# Altium PCB PCB_接线端子版本.PcbDoc
Units mm, origin at the board's own origin, x right, y up, seen from the top; angles counter-clockwise.
Board outline 25 x 30 mm, 2 copper layers (Top Layer, Bottom Layer); 34 components, 17 nets, 99 pads, 55 vias.
Unrouted connection lines stored in the file: 15.
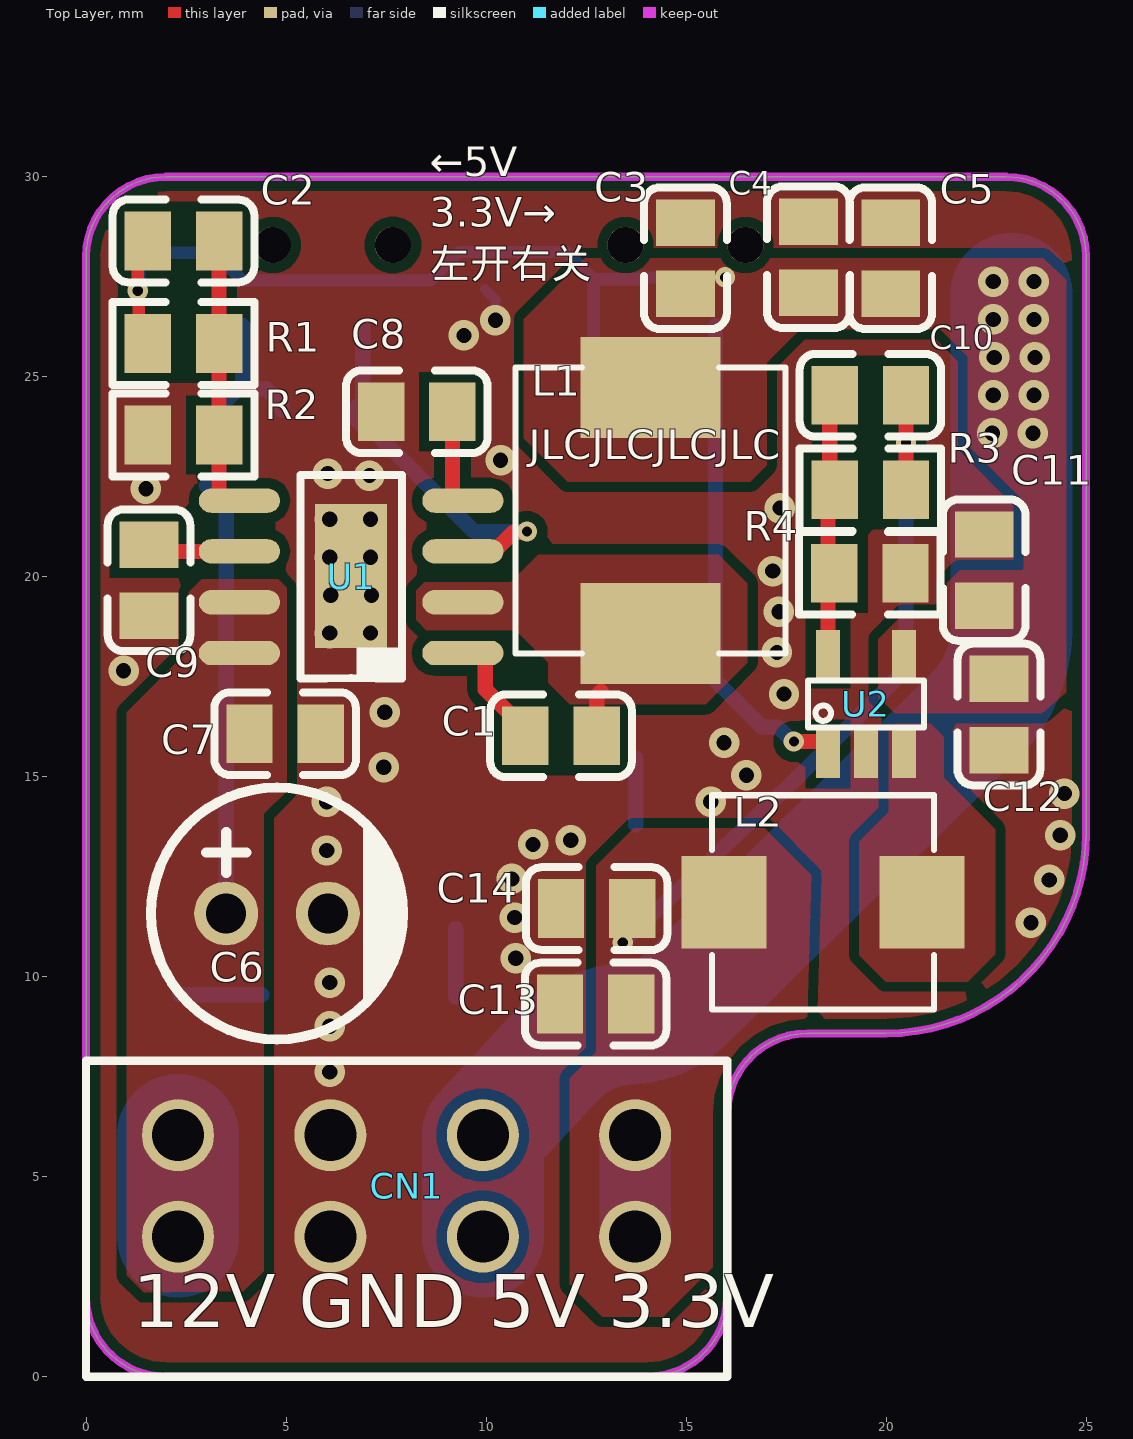
[diagram p0: Top Layer view]
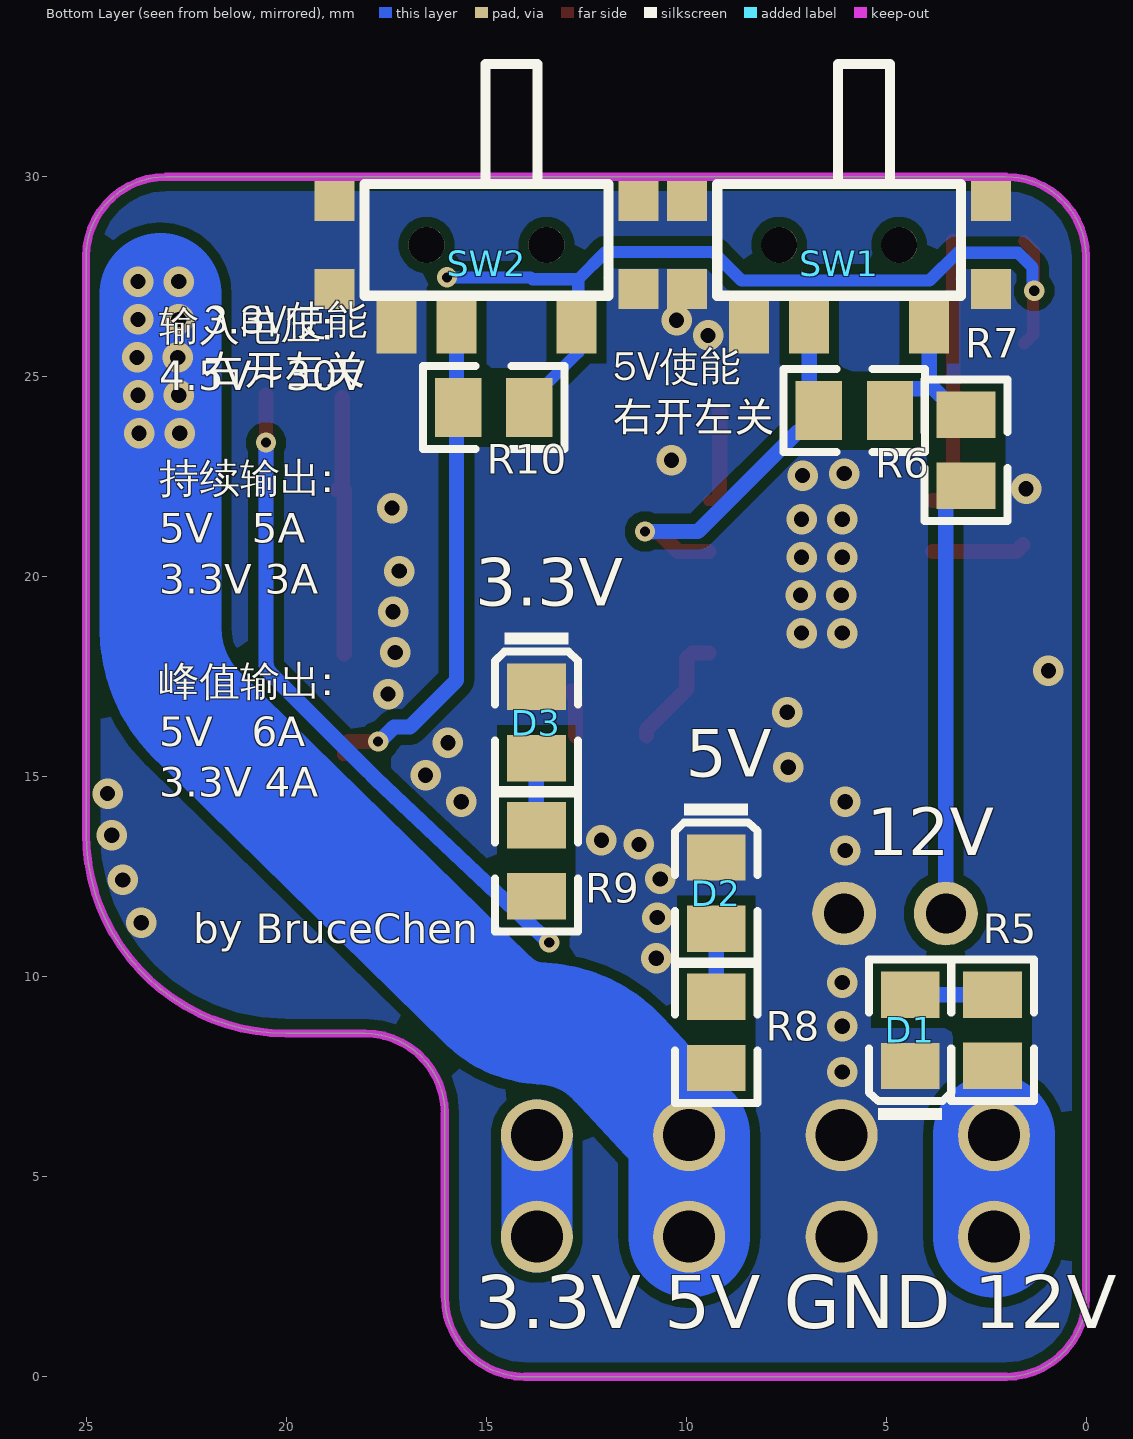
[diagram p1: Bottom Layer view, seen from below]
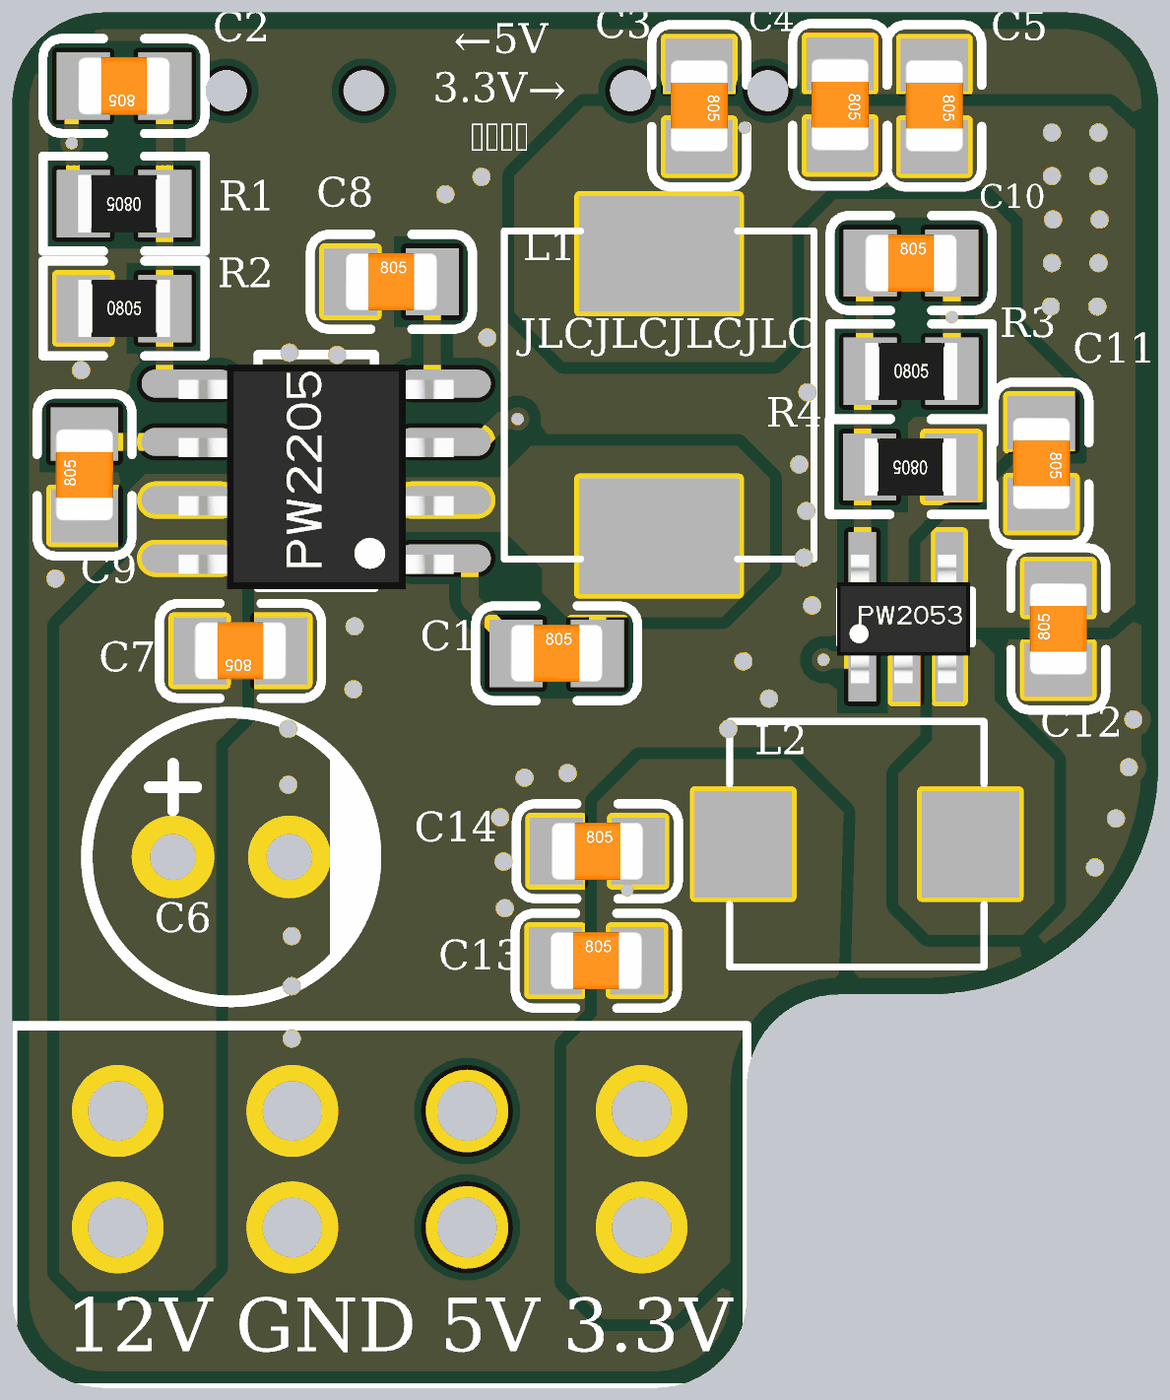
[diagram p2: 3D render of the assembled board from above, using the file's embedded part models]
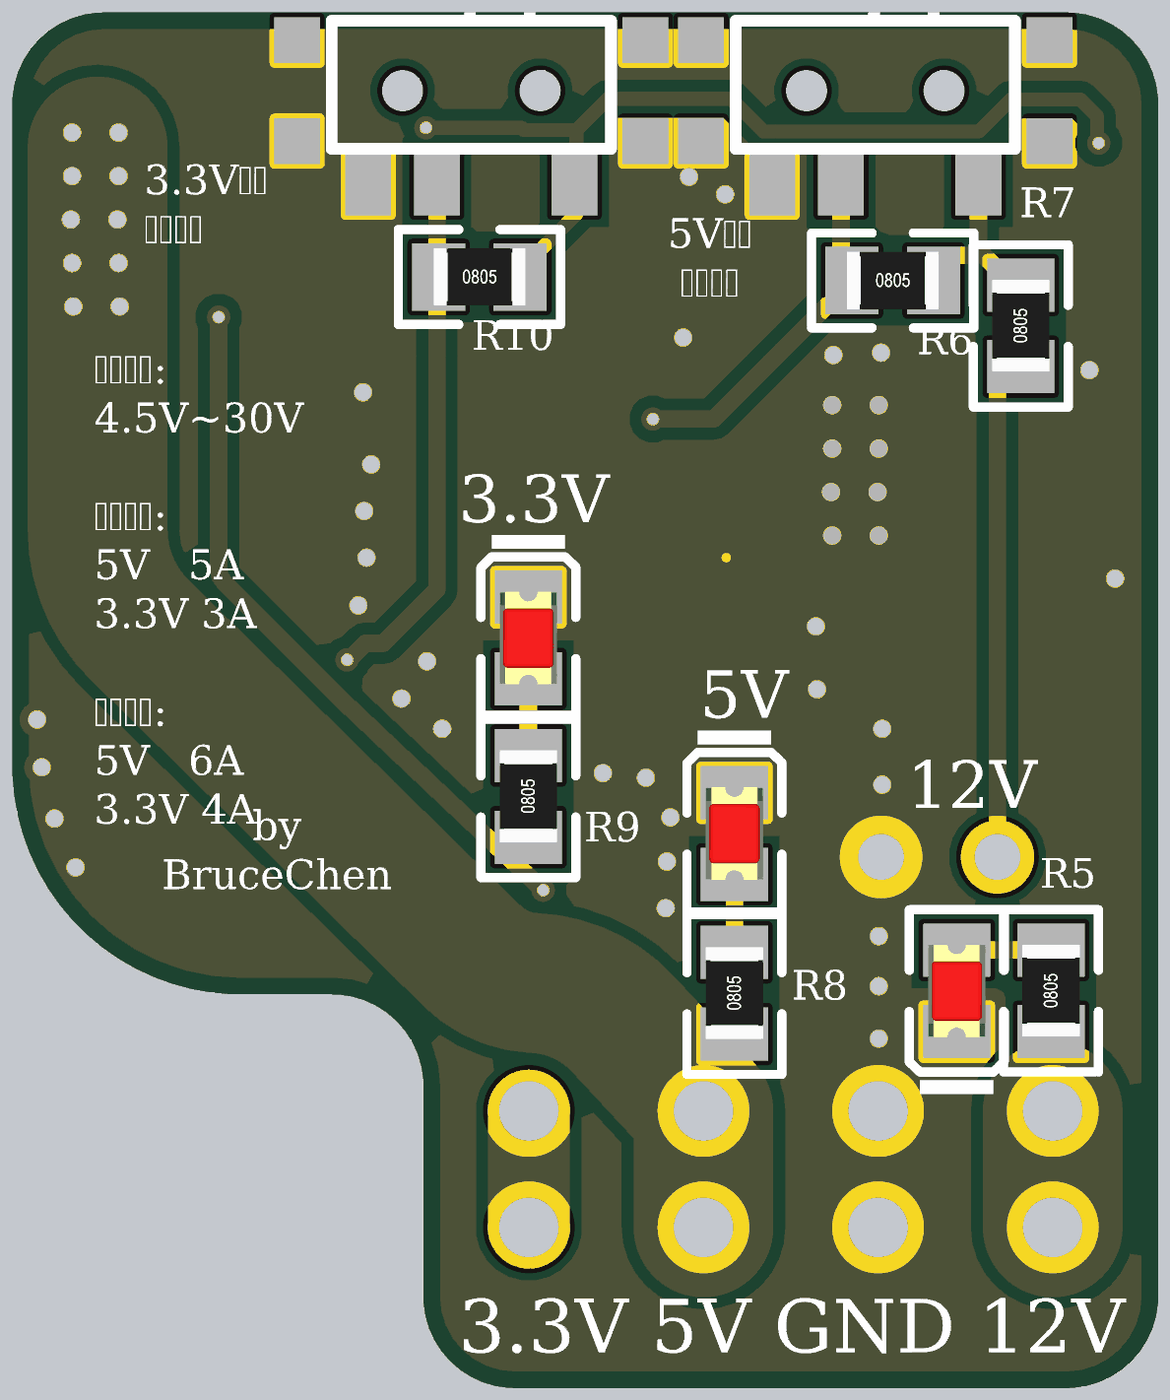
[diagram p3: 3D render of the assembled board from below, using the file's embedded part models]

## Layer stack, top to bottom
Top Solder: solder mask 0.0102, Solder Resist, Dk 3.5
Top Layer: signal copper 0.0356
Dielectric 1: dielectric 0.32, FR-4, Dk 4.8
Bottom Layer: signal copper 0.0356
Bottom Solder: solder mask 0.0102, Solder Resist, Dk 3.5

## Board outline
0,2 ccw(c2,2) 2,0 14.03,0 ccw(c14.03,2) 16.03,2 16.03,6.586 cw(c18.03,6.586) 18.03,8.586 20,8.586 ccw(c20,13.586) 25,13.586 25,28 ccw(c23,28) 23,30 2,30 ccw(c2,28) 0,28

## Design rules (kind name [scope] priority, off if disabled: settings)
Clearance [All] p1: gap=0.254 ignorepadtopadclearanceinfootprint=FALSE except(0: Arc-Hole Track-Hole SMDPad-Hole THPad-Hole Via-Hole Fill-Hole Poly-Hole Region-Hole Text-Hole)
HoleSize [All] p1: absolutevalues=TRUE maxlimit=2539.975 minlimit=0.254 maxpercent=80.000 minpercent=20.000
PlaneConnect [All] p1: planeconnectstyle=Direct reliefexpansion=0.508 reliefentries=4 reliefconductorwidth=0.254 reliefairgap=0.254
PolygonConnect [All] p1: connectstyle=Direct reliefconductorwidth=0.254 reliefentries=4 polygonreliefangle="90 Angle" airgapwidth=0.254
RoutingVias [All] p1: holewidth=0.711 width=1.27 viastyle="Through Hole" minholewidth=0.254 minwidth=0.381 maxholewidth=2539.975 maxwidth=2539.975
SolderMaskExpansion [All] p1: expansion=0.102 istentingtop=FALSE
Width [All] p1: maxlimit=2539.975 minlimit=0.152 preferedwidth=0.254
28 further rules are at their usual default settings.

## Components (designator, comment, footprint, x,y, rotation, side; value= is the part's Value field where it differs from the comment)
C1 "100nF 16V" 0805_C 11.876,16.024 r0 top
C2 "68pF 16V" 0805_C 2.436,28.397 r180 top
C3 "22uF 50V" 0805_C 14.986,27.964 r270 top
C4 "22uF 50V" 0805_C 18.059,27.99 r270 top
C5 "100nF 5% 16V" 0805_C 20.117,27.964 r270 top
C6 "100uF" "电容 6.3*8" 4.775,11.582 r0 top
C7 "1uF 50V" 0805_C 4.978,16.078 r180 top
C8 "10nF 16V" 0805_C 8.269,24.127 r0 top
C9 "1uF 16V" 0805_C 1.575,19.913 r90 top
C10 "22pF 10V" 0805_C 19.609,24.536 r0 top
C11 "22uF 10V" 0805_C 22.454,20.167 r270 top
C12 "0.1uF 10V" 0805_C 22.823,16.557 r90 top
C13 "22uF 10V" 0805_C 12.739,9.319 r0 top
C14 "22uF 10V" 0805_C 12.765,11.706 r0 top
CN1 "插拔式接线端子" 插拔式接线端子-弯插 0,7.902 r0 top
D1 "红灯 0805" 0805_LED_S1 4.394,8.66 r90 bottom
D2 "红灯 0805" 0805_LED_S1 9.246,12.091 r270 bottom
D3 "红灯 0805" 0805_LED_S1 13.741,16.357 r270 bottom
L1 "6.8uH" "电感 0650" 14.111,21.658 r270 top
L2 "6.8uH" "电感 0520" 18.426,11.862 r0 top
R1 "110KΩ ±1%" 0805_R 2.437,25.832 r180 top
R2 "15KΩ ±1%" 0805_R 2.437,23.546 r0 top
R3 "45KΩ 1%" 0805_R 19.61,22.174 r0 top
R4 "10KΩ 1%" 0805_R 19.596,20.088 r180 top
R5 "20KΩ" 0805_R 2.337,8.661 r90 bottom
R6 "0Ω" 0805_R 5.791,24.155 r180 bottom
R7 "100KΩ" 0805_R 2.997,23.165 r90 bottom
R8 "10KΩ" 0805_R 9.246,8.61 r90 bottom
R9 "10KΩ" 0805_R 13.741,12.902 r90 bottom
R10 "0Ω" 0805_R 14.809,24.232 r180 bottom
SW1 "SK-3296S-01-L1" 拨动开关(侧) 6.171,27.837 r0 bottom
SW2 "SK-3296S-01-L1" 拨动开关(侧) 14.986,27.837 r0 bottom
U1 "PW2205" "PW2205 - SOP8" 9.551,17.968 r180 top
U2 "PW2053" "PW2053 - SOT23-6" 18.557,15.576 r90 top

## Footprints (in the part's own frame and the unit in brackets; to place one, negate y for a bottom-side part, rotate by r counter-clockwise, add the part's x,y. Pads: shape width x height; smd on the part's side, far side on the other; paste and mask are expansions set on the pad)
0805_C [mm]
  rect 1.16x1.47 smd: 1(-0.89,0) 2(0.89,0)
  silkscreen extent -1.77,-1.04 1.77,1.04, body extent -1,-0.62 1,0.63, height 0.77
0805_LED_S1 [mm]
  rect 1.16x1.47 smd: A(0.89,0) K(-0.89,0)
  silkscreen extent -2.25,-1.04 1.77,1.03, body extent -1.01,-0.63 1.01,0.62, height 1.1
0805_R [mm]
  rect 1.16x1.47 smd: 1(-0.89,0) 2(0.89,0)
  silkscreen extent -1.77,-1.04 1.77,1.03, body extent -1,-0.62 1,0.63, height 0.49
"PW2053 - SOT23-6" [mm]
  rect 1.2x0.6 smd: CE(-0.005,0.01) FB(2.495,0.01) GND(-0.005,-0.94) LX(-0.005,-1.89) VIN(2.495,-1.89)
  silkscreen extent 0.65,-2.39 1.83,0.51, body extent -0.2,-2.34 2.6,0.56, height 1.47
"PW2205 - SOP8" [mil]
  round 0 all layers, no hole: $$$1(5.02,-5.59)
  oval 80x24 smd: BS(5,-5) EN(5,-105) FB(225,-155) SS(5,-155) SVIN(225,-55) SW(5,-55) VCC(225,-105) VIN(225,-5)
  rect 70.87x141.73 smd: GND(115.02,-80.59)
  silkscreen extent 65,-180 165,20, body extent -3,-171 233,21, height 70
拨动开关(侧) [mm]
  rect 1x1 smd: 0(-3.8,-1.559) 0(-3.8,0.641) 0(3.8,-1.559) 0(3.8,0.641)
  rect 1x1.4 smd: 1(-2.25,1.559) 2(0.75,1.559) 3(2.25,1.559)
  round 0.9 hole 0.9 unplated: ""(-1.5,-0.459) ""(1.5,-0.459)
  silkscreen extent -3.05,-4.98 3.05,0.81
插拔式接线端子-弯插 [mm]
  round 1.8 hole 1.3: 1(13.73,-4.4) 1(13.73,-1.86) 2(9.92,-4.4) 2(9.92,-1.86) 3(6.11,-4.4) 3(6.11,-1.86) 4(2.3,-4.4) 4(2.3,-1.86)
  silkscreen extent 0,-7.9 16.03,0
"电容 6.3*8" [mm]
  round 1.6 hole 1: 1(-1.27,0) 2(1.27,0)
  silkscreen extent -3.15,-3.15 3.17,3.15
"电感 0520" [mm]
  rect 2.124x2.32 smd: 1(2.478,0) 2(-2.478,0)
  silkscreen extent -2.78,-2.68 2.78,2.68
"电感 0650" [mm]
  rect 2.524x3.5 smd: 1(3.078,0) 2(-3.078,0)
  silkscreen extent -3.58,-3.38 3.58,3.38

## Part data
C1 C5: library part "0805 100nF(104) 10% 50V", "贴片电容", Package=0805, SuppliersPartNumber=C49678, ComponentLink1Description=供应商链接, ComponentLink1URL=http://www.szlcsc.com/product/details_50686.html, Supplier=LC
C2: library part "0805 68pF (680) 5% 50V", "贴片电容", Package=0805, SuppliersPartNumber=C1834, ComponentLink1Description=供应商链接, ComponentLink1URL=http://www.szlcsc.com/product/details_2186.html, Supplier=LC
C3 C4 C11 C13 C14: library part "0805 22uF (226) 20% 25V", "贴片电容", Package=0805, SuppliersPartNumber=C45783, ComponentLink1Description=供应商链接, ComponentLink1URL=http://www.szlcsc.com/product/details_46786.html, Supplier=LC
C6: library part "电容 6.3*8", BOM_JLCPCB Part Class="Extended Part", BOM_Manufacturer=AISHI, BOM_Manufacturer Part=SPZ1VM101E08000R, BOM_Supplier=LCSC, BOM_Supplier Part=C122240, nameAlias=Capacitance, spicePre=C, spiceSymbolName=SPZ1VM101E08000R
C7 C9: library part "0805 1uF (105) 10% 50V", "贴片电容", Package=0805, SuppliersPartNumber=C28323, ComponentLink1Description=供应商链接, ComponentLink1URL=http://www.szlcsc.com/product/details_29074.html, Supplier=LC
C8: library part "0805 10nF (103) 10% 50V", "贴片电容", Package=0805, SuppliersPartNumber=C1710, ComponentLink1Description=供应商链接, ComponentLink1URL=http://www.szlcsc.com/product/details_2062.html, Supplier=LC
C10 C12: library part "0603 10pF (100) 5% 50V", "贴片电容", Package=0603, SuppliersPartNumber=C1634, ComponentLink1Description=供应商链接, ComponentLink1URL=http://www.szlcsc.com/product/details_1986.html, Supplier=LC
D1 D2 D3: library part "0805 红灯", "发光二极管", Package=0805, SuppliersPartNumber=C2295, ComponentLink1Description=供应商链接, ComponentLink1URL=http://www.szlcsc.com/product/details_2668.html, Supplier=LC
L1 L2: library part "电感 6.8uH", BOM_Manufacturer="cjiang(Changjiang Microelectronics Tech)", BOM_Manufacturer Part=FXL0650-6R8-M, BOM_Supplier=LCSC, BOM_Supplier Part=C475530, Contributor=LCSC, nameAlias=Inductance, spicePre=L, spiceSymbolName=FXL0650-6R8-M
R1: library part "0805 110KΩ (1103) 1%", "贴片电阻", Package=0805, SuppliersPartNumber=C17422, ComponentLink1Description=供应商链接, ComponentLink1URL=http://www.szlcsc.com/product/details_18110.html, Supplier=LC
R2: library part "0805 15KΩ (1502) 1%", "贴片电阻", Package=0805, SuppliersPartNumber=C17475, ComponentLink1Description=供应商链接, ComponentLink1URL=http://www.szlcsc.com/product/details_18163.html, Supplier=LC
R3 R4: library part "0603 10KΩ (1002) 1%", "贴片电阻", Package=0603, SuppliersPartNumber=C25804, ComponentLink1Description=供应商链接, ComponentLink1URL=http://www.szlcsc.com/product/details_26547.html, Supplier=LC
R5: library part "0805 4.7KΩ (4701) 1%", "贴片电阻", Package=0805, SuppliersPartNumber=C17673, ComponentLink1Description=供应商链接, ComponentLink1URL=http://www.szlcsc.com/product/details_18361.html, Supplier=LC
R6 R10: library part "0805 0Ω (0R0) 1%", "贴片电阻", Package=0805, SuppliersPartNumber=C17477, ComponentLink1Description=供应商链接, ComponentLink1URL=http://www.szlcsc.com/product/details_18165.html, Supplier=LC
R7: library part "0805 100KΩ (1003) 1%", "贴片电阻", Package=0805, SuppliersPartNumber=C17407, ComponentLink1Description=供应商链接, ComponentLink1URL=http://www.szlcsc.com/product/details_18095.html, Supplier=LC
R8 R9: library part "0805 1KΩ (1001) 1%", "贴片电阻", Package=0805, SuppliersPartNumber=C17513, ComponentLink1Description=供应商链接, ComponentLink1URL=http://www.szlcsc.com/product/details_18201.html, Supplier=LC
SW1 SW2: library part 拨动开关(侧), BOM_JLCPCB Part Class="Extended Part", BOM_Manufacturer="XKB Enterprise", BOM_Manufacturer Part=SK-3296S-01-L1, BOM_Supplier=LCSC, BOM_Supplier Part=C319020, Contributor=LCSC, spicePre=S, spiceSymbolName=SK-3296S-01-L1

## Via types
v1: diameter 0.762, hole 0.381, Top Layer to Bottom Layer, tented both sides, 49 vias
v2: diameter 0.508, hole 0.254, Top Layer to Bottom Layer, tented both sides, 6 vias

## Nets (pads, with @x,y where several pads share a name; then routed paths per layer and width w, separated by ;. In a path a pad name is that pad's centre, name@x,y a point inside that pad or via, vN(x,y) a via of type N, cw(c..) or ccw(c..) an arc to the next point about the centre after c; other vN are vias at no path point)
3.3V: C10.2 C13.2 C14.2 CN1.1 L2.2 R3.2 R9.1 | length 20.4
  Top Layer w0.381: C10.2 v2(20.499,23.356) 20.499,22.175 R3.2
  Bottom Layer w0.381: v2(13.418,10.858) 17.754,14.95 17.771,14.967 17.97,15.166 ccw(c17.482,15.665) 17.976,15.172 20.387,17.585 ccw(c20.118,17.855) 20.499,17.851 20.499,17.853 v2(20.499,23.356)
  Bottom Layer w1.778: CN1.1@13.73,3.502 CN1.1@13.73,6.042
5V: C2.2 C3.2 C4.2 C5.2 C11.2 C12.2 CN1.2 L1.2 R1.2 R8.1 R10.2 SW2.1 U2.VIN | length 52.5
  Top Layer w0.305: R1.2 1.321,26.058 1.321,27.127 v2(1.295,27.153) 1.295,28.146 C2.2
  Bottom Layer w0.305: v2(1.295,27.153) 1.334,27.191 1.334,27.734 1.702,28.102 3.216,28.102 3.912,27.407 8.611,27.407 9.064,27.86 9.064,27.864 9.302,28.102 9.306,28.102 9.322,28.118 12.014,28.118 12.693,27.439 ; R10.2 13.919,24.387 12.693,25.613 12.693,27.439 ; v2(15.975,27.486) 13.887,27.486 13.841,27.439 12.693,27.439
  Bottom Layer w3.048: CN1.2@9.92,3.502 9.92,6.042 11.681,7.942 cw(c13.73,6.042) 13.618,8.834 ccw(c13.534,10.864) 14.956,9.413 22.225,16.535 ccw(c20.091,18.712) 23.139,18.712 23.139,24.536 23.139,26.433 23.139,27.076
  other v1: 22.657,23.588 23.673,23.588 22.682,24.536 23.698,24.536 22.708,25.485 23.724,25.485 22.682,26.433 23.698,26.433 22.682,27.381 23.698,27.381
12V: C6.1 C7.2 CN1.4 R5.1 R7.1 U1.SVIN U1.VIN | length 13.5
  Bottom Layer w0.381: R7.1 3.116,22.275 3.505,21.885 C6.1
  Bottom Layer w3.048: CN1.4@2.3,3.502 CN1.4@2.3,6.042
EN: R6.1 SW1.2 U1.EN | length 9.7
  Top Layer w0.381: U1.EN 10.197,20.635 10.67,21.109 10.999,21.109 v2(11.024,21.133)
  Bottom Layer w0.381: SW1.2 6.921,24.395 R6.1 6.681,24 7.071,23.611 7.226,23.611 9.704,21.133 v2(11.024,21.133)
EN2: R10.1 SW2.2 U2.CE | length 12.6
  Top Layer w0.381: v2(17.697,15.881) 18.438,15.881 18.547,15.772 U2.CE
  Bottom Layer w0.381: SW2.2 15.736,24.232 15.736,17.411 16.904,16.243 17.301,16.243 17.663,15.881 v2(17.697,15.881)
GND: C3.1 C4.1 C5.1 C6.2 C7.1 C8.1 C9.1 C11.1 C12.1 C13.1 C14.1 CN1.3 D1.K D2.K D3.K R2.1 R4.1 SW1.0 SW1.3 SW2.0 SW2.3 U1.GND U2.GND | length 0.9
  Bottom Layer w0.254: SW1.0@9.971,27.196 10.236,26.93 v1(10.236,26.416)
  other v1: 6.096,7.62 6.096,8.763 6.096,9.855 10.744,10.465 23.622,11.354 10.719,11.481 24.079,12.421 10.643,12.446 6.02,13.157 11.176,13.31 12.116,13.411 24.359,13.538 6.02,14.376 15.621,14.376 24.46,14.58 16.51,15.037 7.442,15.24 15.951,15.85 7.468,16.612 17.45,17.069 0.94,17.653 17.272,18.11 6.096,18.593 7.112,18.593 17.323,19.126 6.121,19.541 7.137,19.541 17.17,20.142 6.096,20.489 7.112,20.489 6.096,21.438 7.112,21.438 17.348,21.717 1.499,22.2 7.087,22.53 6.045,22.581 10.363,22.911 9.449,26.035
NetC1_1: C1.1 U1.BS | length 3
  Top Layer w0.381: U1.BS 9.842,18.095 9.983,17.955 9.983,17.182 10.986,16.179 C1.1
NetC1_2: C1.2 L1.1 U1.SW | length 1.2
  Top Layer w0.381: C1.2 12.766,16.875 cw(c13.148,16.875) 12.878,17.145
NetC2_1: C2.1 R1.1 R2.2 U1.FB | length 6.9
  Top Layer w0.381: C2.1 3.326,22.011 3.432,21.905 U1.FB
NetC8_2: C8.2 U1.SS | length 2.4
  Top Layer w0.305: U1.SS@9.159,22.046 9.3,21.905 U1.SS
  Top Layer w0.381: U1.SS@9.159,22.046 C8.2
NetC9_2: C9.2 U1.VCC | length 2.3
  Top Layer w0.381: C9.2 1.742,20.635 U1.VCC
NetC10_1: C10.1 R3.1 R4.2 U2.FB | length 6.5
  Top Layer w0.381: U2.FB 18.547,20.088 R3.1@18.547,22.174 ; C10.1@18.593,24.486 18.593,22.301 R3.1
NetD1_A: D1.A R5.2 | length 2.1
  Bottom Layer w0.381: R5.2 4.393,9.551 D1.A
NetD2_A: D2.A R8.2 | length 1.7
  Bottom Layer w0.381: R8.2 D2.A
NetD3_A: D3.A R9.2 | length 1.7
  Bottom Layer w0.381: R9.2 D3.A
NetL2_1: L2.1 U2.LX
NetR6_2: R6.2 R7.2 SW1.1 | length 4
  Bottom Layer w0.381: R7.2 3.152,24.055 3.921,24.823 ; SW1.1 3.921,24.823 ; R6.2 4.901,24.31 4.512,24.7 4.044,24.7 3.921,24.823
pads on no net: SW1. SW2. U1.$$$1

## Polygon pours and split planes (outlines as drawn)
GND on Top Layer "GND_L01_P005" (solid, pour order 5): 1.041,0 -0.025,1.067 -0.025,29.312 0.66,29.997 23.851,29.997 25.146,28.702 25.146,11.608 22.123,8.585 17.932,8.585 ccw(c17.932,6.868) 16.718,8.082 16.485,7.849 ccw(c17.588,6.745) 16.027,6.745 16.027,1.803 cw(c14.433,1.803) 15.56,0.676 15.519,0.635 cw(c13.986,2.168) 13.986,0
NetC1_2 on Top Layer "NETC1_2_L01_P001" (solid, pour order 1): 8.458,19.863 10.617,19.863 11.303,20.549 15.824,20.549 16.535,19.837 16.535,17.856 15.494,16.815 12.09,16.815 11.557,17.348 11.557,17.856 10.744,18.669 8.509,18.669 8.255,18.923 8.255,19.66
5V on Top Layer "5V_L01_P002" (solid, pour order 2): 10.947,26.441 12.471,27.965 23.928,27.965 24.511,27.426 24.511,17.113 23.91,16.586 20.218,16.586 19.812,16.993 19.812,18.44 20.422,19.05 21.311,19.05 21.514,19.202 21.514,19.837 21.844,20.168 23.393,20.168 23.444,20.218 23.444,21.895 22.047,23.292 22.047,25.502 21.361,26.187 17.856,26.187 17.018,25.349 17.018,22.784 16.612,22.377 12.04,22.377 10.947,23.47
3.3V on Top Layer "3.3V_L01_P003" (solid, pour order 3): 18.136,12.548 16.967,13.716 13.691,13.716 12.751,12.776 12.751,8.128 12.09,7.468 12.09,2.311 12.903,1.499 14.427,1.499 16.129,3.2 16.129,7.264 16.764,7.899 17.272,8.407 17.424,8.407 18.034,9.017
NetL2_1 on Top Layer "NETL2_1_L01_P004" (solid, pour order 4): 20.066,16.142 20.066,14.122 19.329,13.386 19.329,10.541 19.99,9.881 22.047,9.881 22.733,10.566 22.733,13.691 21.438,14.986 21.438,16.002 21.107,16.332 20.218,16.332
12V on Top Layer "12V_L01_P000" (solid, pour order 0): 2.108,2.108 1.448,2.108 1.016,2.54 1.016,16.612 2.565,18.161 2.565,19.609 2.896,19.939 4.801,19.939 5.016,19.723 5.016,14.643 4.445,14.072 4.445,2.642 3.937,2.134
GND on Bottom Layer "GND_L02_P006" (solid, pour order 6): 1.041,0 -0.025,1.067 -0.025,29.312 0.66,29.997 23.851,29.997 25.146,28.702 25.146,11.608 22.123,8.585 17.932,8.585 ccw(c17.932,6.868) 16.718,8.082 16.485,7.849 ccw(c17.588,6.745) 16.027,6.745 16.027,1.803 cw(c14.433,1.803) 15.56,0.676 15.519,0.635 cw(c13.986,2.168) 13.986,0

## Keep-outs
Keep-Out Layer:
  the board outline again, w0.203

## Silkscreen, mask and mechanical layers (free items; w line width, h text height)
Top Overlay:
  text "←5V / 3.3V→ / 左开右关" at 8.592,27.229 h1.27
  text "JLCJLCJLCJLC" at 11.074,22.689 h1.27
  text "12V GND 5V 3.3V" at 1.169,0.802 h2.29
Bottom Overlay:
  text "3.3V使能 / 右开左关" at 22.073,24.562 h1.27
  text "5V使能 / 右开左关" at 11.826,23.393 h1.27
  text "3.3V" at 15.265,18.885 h2.03
  text "5V" at 10.008,14.618 h2.03
  text "输入电压: / 4.5V~30V /  / 持续输出: / 5V   5A / 3.3V 3A /  / 峰值输出: / 5V   6A / 3.3V 4A" at 23.165,14.249 h1.27
  text "12V" at 5.485,12.649 h2.03
  text "by BruceChen" at 22.321,10.592 h1.27
  text "3.3V 5V GND 12V" at 15.265,0.777 h2.29
Mechanical 1:
  the board outline again, w0.203